# Allegro board 8880F5-0823__zarif.brd (continued)
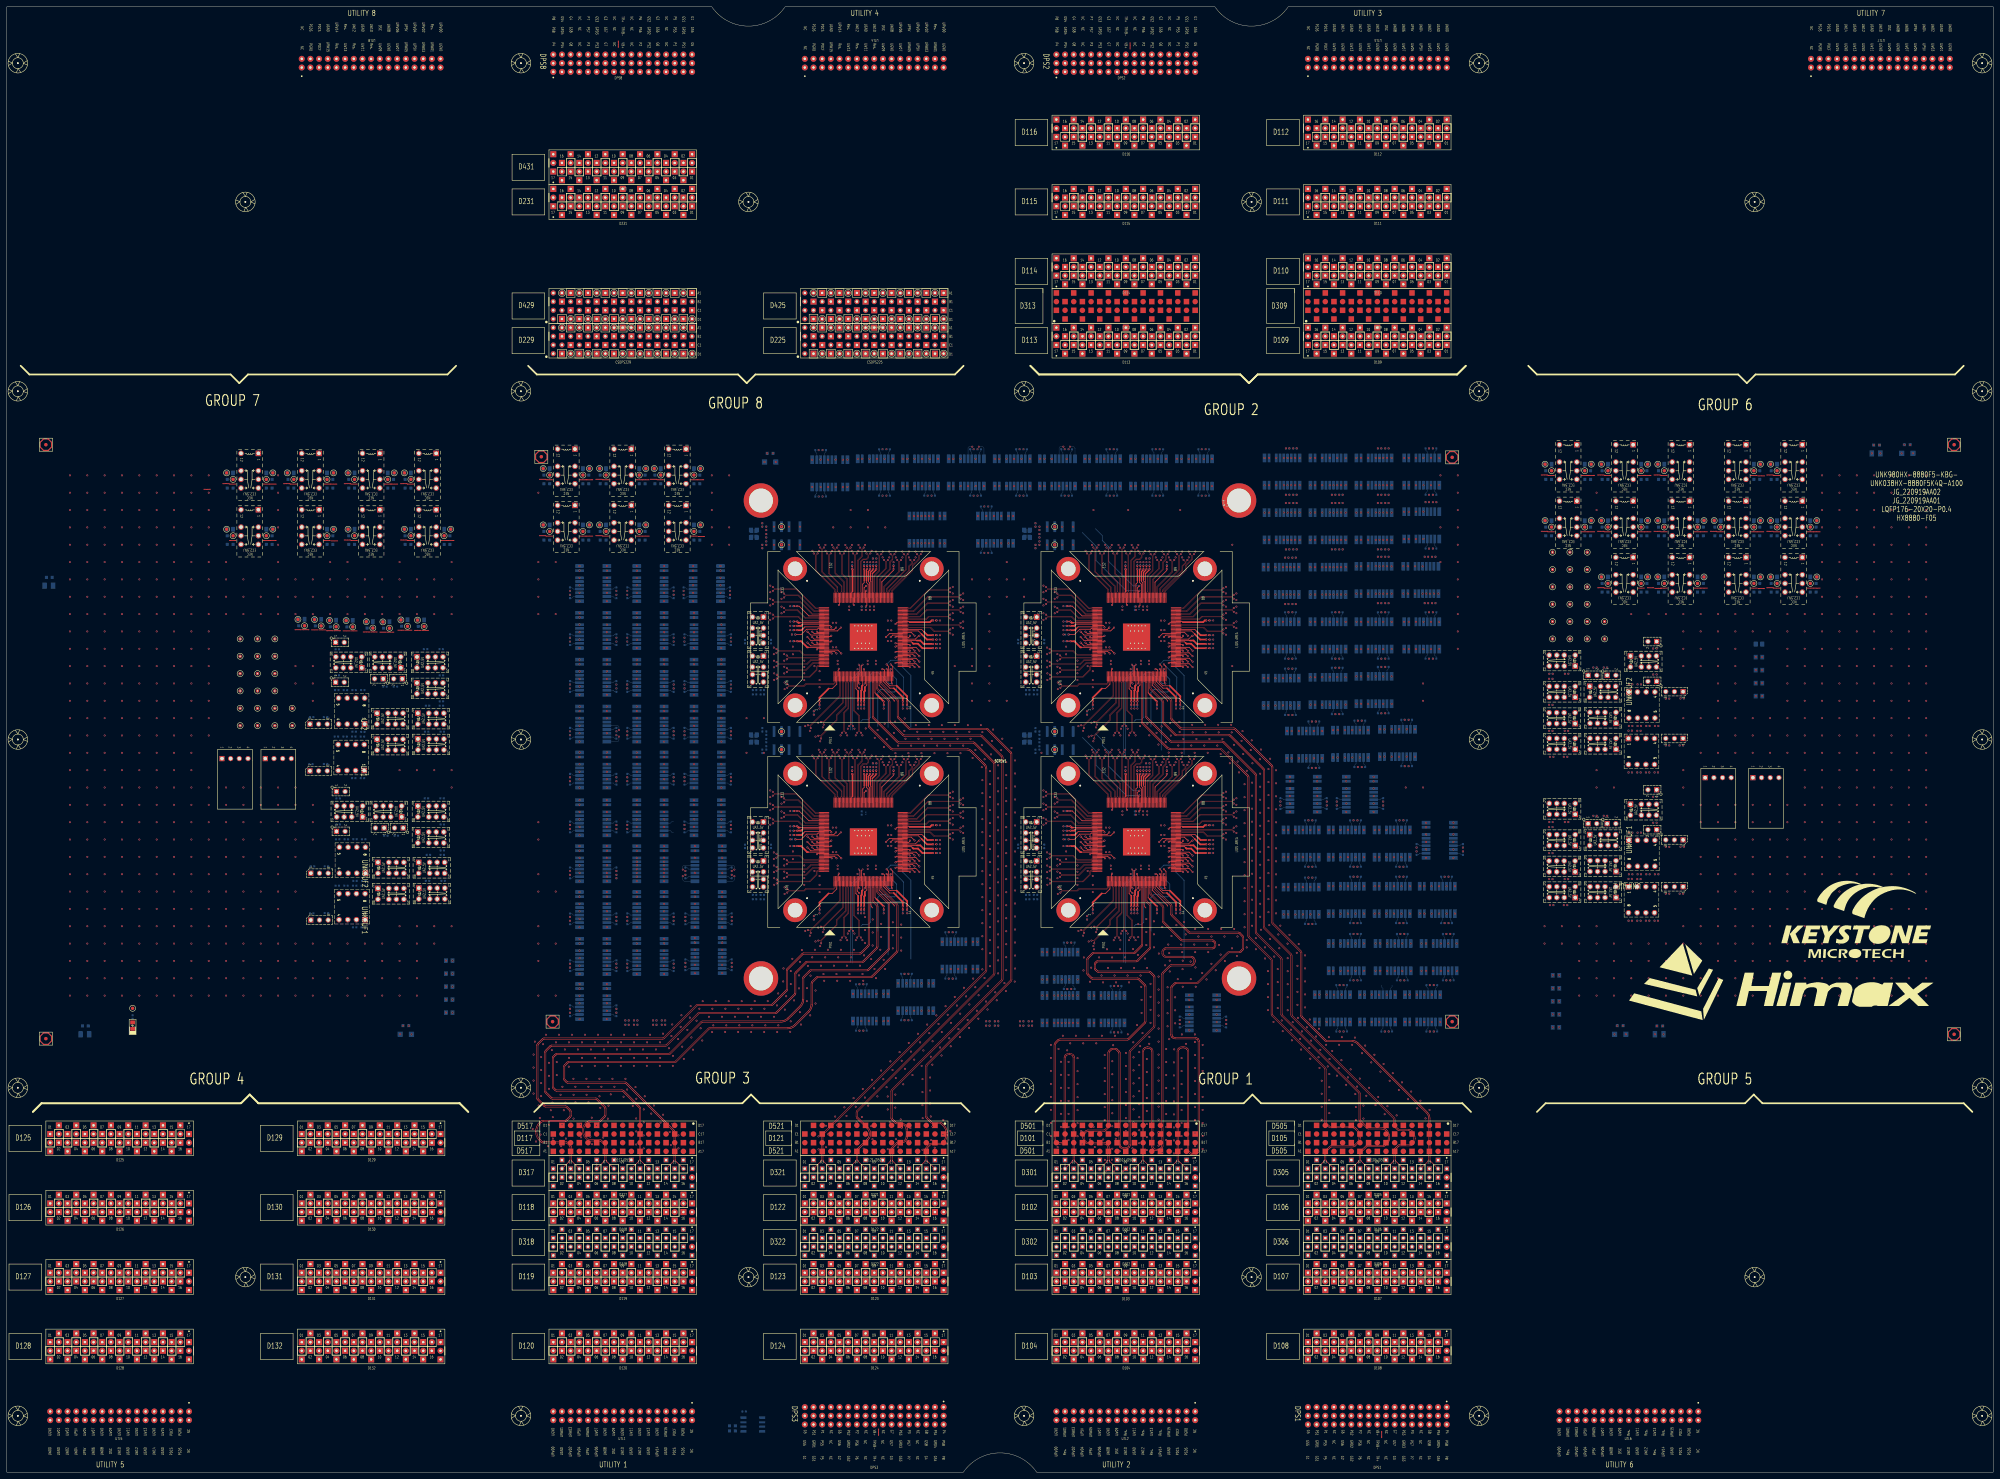
[diagram p0: board, top side]
## Nets (continued)
UT1_UP5V: BR902.1 CB1.1 CB2.1 CB3.1 CB4.1 CB5.1 CB6.1 CB7.1 CB8.1 CB9.1 CB10.1 CB11.1 CB12.1 CB13.1 CB14.1 CB15.1 CB16.1 CB19.2 K1.1(V+) K2.1(V+) K3.1(V+) K4.1(V+) K5.1(V+) K6.1(V+) K7.1(V+) K8.1(V+) K9.1(V+) K10.1(V+) K11.1(V+) K12.1(V+) K13.1(V+) K14.1(V+) K15.1(V+) K16.1(V+) K17.1(V+) K18.1(V+) K19.1(V+) K20.1(V+) K21.1(V+) K22.1(V+) K23.1(V+) K24.1(V+) K25.1(V+) K26.1(V+) K27.1(V+) K28.1(V+) K29.1(V+) K30.1(V+) K31.1(V+) K33.1(V+) K34.1(V+) K36.1(V+) K37.1(V+) K39.1(V+) K40.1(V+) K42.1(V+) K43.1(V+) RB1.1 RB2.1 UB1.8(VCC) UNK2K1.1 UNK2K2.1 UNK2K3.1 UNK2K4.1 UNK2K5.1 UNK2K6.1 UNK2K7.1 UNK2K8.1 UNK2K9.1 UNK2K10.1 UNK2K11.1 UNK2K12.1 UNK2K13.1 UNK2K14.1 UNK2K15.1 UNK2K16.1 UNK2K17.1 UNK2K18.1 UNK2K19.1 UNK2K20.1 UNK2K21.1 UNK2K22.1 UNK2K23.1 UNK2K24.1 UNK2K25.1 UNK2K26.1 UNK2K27.1 UNK2K28.1 UNK2K29.1 UNK2K30.1 UNK2K31.1 UNK2K33.1 UNK2K34.1 UNK2K36.1 UNK2K37.1 UNK2K39.1 UNK2K40.1 UNK2K42.1 UNK2K43.1 UNK3K1.1 UNK3K2.1 UNK3K3.1 UNK3K4.1 UNK3K5.1 UNK3K6.1 UNK3K7.1 UNK3K8.1 UNK3K9.1 UNK3K10.1 UNK3K11.1 UNK3K12.1 UNK3K13.1 UNK3K14.1 UNK3K15.1 UNK3K16.1 UNK3K17.1 UNK3K18.1 UNK3K19.1 UNK3K20.1 UNK3K21.1 UNK3K22.1 UNK3K23.1 UNK3K24.1 UNK3K25.1 UNK3K26.1 UNK3K27.1 UNK3K28.1 UNK3K29.1 UNK3K30.1 UNK3K31.1 UNK3K33.1 UNK3K34.1 UNK3K36.1 UNK3K37.1 UNK3K39.1 UNK3K40.1 UNK3K42.1 UNK3K43.1 UNK4K1.1 UNK4K2.1 UNK4K3.1 UNK4K4.1 UNK4K5.1 UNK4K6.1 UNK4K7.1 UNK4K8.1 UNK4K9.1 UNK4K10.1 UNK4K11.1 UNK4K12.1 UNK4K13.1 UNK4K14.1 UNK4K15.1 UNK4K16.1 UNK4K17.1 UNK4K18.1 UNK4K19.1 UNK4K20.1 UNK4K21.1 UNK4K22.1 UNK4K23.1 UNK4K24.1 UNK4K25.1 UNK4K26.1 UNK4K27.1 UNK4K28.1 UNK4K29.1 UNK4K30.1 UNK4K31.1 UNK4K33.1 UNK4K34.1 UNK4K36.1 UNK4K37.1 UNK4K39.1 UNK4K40.1 UNK4K42.1 UNK4K43.1 UT_UP5V.1(TP) UTL1.A05 UTL1.B04 UTL2.A05 UTL2.B04 UTL3.A05 UTL3.B04 UTL4.A05 UTL4.B04 UTL5.A05 UTL5.B04 UTL6.A05 UTL6.B04 UTL7.A05 UTL7.B04 UTL8.A05 UTL8.B04
UT1_URW00: UTL1.A01
UT1_URW01: UTL1.B02
UT1_URW02: UTL1.A03
UT1_URW03: UTL1.B03
UT1_URW04: UTL1.A04
UT1_URW05: UTL1.B05
UT1_URW06: UTL1.A06
UT1_UW07: UTL1.B06
UT1_UW08: UTL1.A07
UT1_UW09: UTL1.B08
UT1_UW10: UTL1.A09
UT1_UW11: UTL1.B10
UT1_UW12: UTL1.A11
UT1_UW13: UTL1.B12
UT1_UW14: RB1.2 UB1.6(SCL) UTL1.A13
UT1_UW15: RB2.2 UB1.5(SDA) UTL1.B14
UT2_PDCF: UTL2.B15
UT2_PDCS: UTL2.A15
UT2_PGDS: UTL2.A16
UT2_PGRD: UTL2.B16
UT2_URW00: UTL2.A01
UT2_URW01: UTL2.B02
UT2_URW02: UTL2.A03
UT2_URW03: UTL2.B03
UT2_URW04: UTL2.A04
UT2_URW05: UTL2.B05
UT2_URW06: UTL2.A06
UT2_UW07: UTL2.B06
UT2_UW08: UTL2.A07
UT2_UW09: UTL2.B08
UT2_UW10: UTL2.A09
UT2_UW11: UTL2.B10
UT2_UW12: UTL2.A11
UT2_UW13: UTL2.B12
UT2_UW14: UTL2.A13
UT2_UW15: UTL2.B14
UT3_PDCF: UTL3.B15
UT3_PDCS: UTL3.A15
UT3_PGDS: UTL3.A16
UT3_PGRD: UTL3.B16
UT3_URW00: UTL3.A01
UT3_URW01: UTL3.B02
UT3_URW02: UTL3.A03
UT3_URW03: UTL3.B03
UT3_URW04: UTL3.A04
UT3_URW05: UTL3.B05
UT3_URW06: UTL3.A06
UT3_UW07: UTL3.B06
UT3_UW08: UTL3.A07
UT3_UW09: UTL3.B08
UT3_UW10: UTL3.A09
UT3_UW11: UTL3.B10
UT3_UW12: UTL3.A11
UT3_UW13: UTL3.B12
UT3_UW14: UTL3.A13
UT3_UW15: UTL3.B14
UT4_PDCF: UTL4.B15
UT4_PDCS: UTL4.A15
UT4_PGDS: UTL4.A16
UT4_PGRD: UTL4.B16
UT4_URW00: UTL4.A01
UT4_URW01: UTL4.B02
UT4_URW02: UTL4.A03
UT4_URW03: UTL4.B03
UT4_URW04: UTL4.A04
UT4_URW05: UTL4.B05
UT4_URW06: UTL4.A06
UT4_UW07: UTL4.B06
UT4_UW08: UTL4.A07
UT4_UW09: UTL4.B08
UT4_UW10: UTL4.A09
UT4_UW11: UTL4.B10
UT4_UW12: UTL4.A11
UT4_UW13: UTL4.B12
UT4_UW14: UTL4.A13
UT4_UW15: UTL4.B14
UT5_PDCF: UTL5.B15
UT5_PDCS: UTL5.A15
UT5_PGDS: UTL5.A16
UT5_PGRD: UTL5.B16
UT5_UW00: UTL5.A01
UT5_UW01: UTL5.B02
UT5_UW02: UTL5.A03
UT5_UW03: UTL5.B03
UT5_UW04: UTL5.A04
UT5_UW05: UTL5.B05
UT5_UW06: UTL5.A06
UT5_UW07: UTL5.B06
UT5_UW08: UTL5.A07
UT5_UW09: UTL5.B08
UT5_UW10: UTL5.A09
UT5_UW11: UTL5.B10
UT5_UW12: UTL5.A11
UT5_UW13: UTL5.B12
UT5_UW14: UTL5.A13
UT5_UW15: UTL5.B14
UT6_PDCF: UTL6.B15
UT6_PDCS: UTL6.A15
UT6_PGDS: UTL6.A16
UT6_PGRD: UTL6.B16
UT6_UW00: UTL6.A01
UT6_UW01: UTL6.B02
UT6_UW02: UTL6.A03
UT6_UW03: UTL6.B03
UT6_UW04: UTL6.A04
UT6_UW05: UTL6.B05
UT6_UW06: UTL6.A06
UT6_UW07: UTL6.B06
UT6_UW08: UTL6.A07
UT6_UW09: UTL6.B08
UT6_UW10: UTL6.A09
UT6_UW11: UTL6.B10
UT6_UW12: UTL6.A11
UT6_UW13: UTL6.B12
UT6_UW14: UTL6.A13
UT6_UW15: UTL6.B14
UT7_PDCF: UTL7.B15
UT7_PDCS: UTL7.A15
UT7_PGDS: UTL7.A16
UT7_PGRD: UTL7.B16
UT7_UW00: UTL7.A01
UT7_UW01: UTL7.B02
UT7_UW02: UTL7.A03
UT7_UW03: UTL7.B03
UT7_UW04: UTL7.A04
UT7_UW05: UTL7.B05
UT7_UW06: UTL7.A06
UT7_UW07: UTL7.B06
UT7_UW08: UTL7.A07
UT7_UW09: UTL7.B08
UT7_UW10: UTL7.A09
UT7_UW11: UTL7.B10
UT7_UW12: UTL7.A11
UT7_UW13: UTL7.B12
UT7_UW14: UTL7.A13
UT7_UW15: UTL7.B14
UT8_PDCF: UTL8.B15
UT8_PDCS: UTL8.A15
UT8_PGDS: UTL8.A16
UT8_PGRD: UTL8.B16
UT8_UW00: UTL8.A01
UT8_UW01: UTL8.B02
UT8_UW02: UTL8.A03
UT8_UW03: UTL8.B03
UT8_UW04: UTL8.A04
UT8_UW05: UTL8.B05
UT8_UW06: UTL8.A06
UT8_UW07: UTL8.B06
UT8_UW08: UTL8.A07
UT8_UW09: UTL8.B08
UT8_UW10: UTL8.A09
UT8_UW11: UTL8.B10
UT8_UW12: UTL8.A11
UT8_UW13: UTL8.B12
UT8_UW14: UTL8.A13
UT8_UW15: UTL8.B14
N16868442: BR902.2 LD902.1(A)
N24574244: J2.1 R89.1
N24574268: J3.1 R96.1
N24574272: J3.3 R93.1
N24574311: R90.1 U1.7(HOLD#)
N24574358: J2.2 U1.3(WP#)
N24574376: R97.1 U2.7(HOLD#)
N24574426: J3.2 U2.3(WP#)
N24574578: J2.3 R86.1
N24787993: CA21.1 K34.5
N24789529: CA23.1 K36.5 K36.8
N24789779: CA24.1 K37.5
N25330426: CA29.1 K42.5
N25334489: CA26.1 K39.5
N25337760: CA34.1 K31.5
N25339188: CA27.1 K40.5
N25462044: CA37.1 K39.8
N25462912: CA40.1 K42.8
N25463486: CA28.1 K40.8
N25464528: CA25.1 K37.8
N25465136: CA22.1 K34.8
N26125600: K25.3 R55.2
N26125602: K25.4 R56.1
N26125604: K25.6 R57.2
N26125606: K25.5 R58.1
N26125622: K26.3 R59.2
N26125624: K26.4 R60.1
N26125626: K26.6 R61.2
N26125628: K26.5 R62.1
N26125644: K27.5 R66.1
N26125646: K27.6 R65.2
N26125685: K22.6 R45.2
N26125687: K22.5 R46.1
N26125689: K23.3 R47.2
N26125691: K23.4 R48.1
N26125693: K23.6 R49.2
N26125695: K23.5 R50.1
N26125711: K24.3 R51.2
N26125713: K24.4 R52.1
N26125715: K24.6 R53.2
N26125717: K24.5 R54.1
N26125746: K22.3 R102.2
N26125748: K22.4 R103.1
N26125750: K27.3 R104.2
N26125752: K27.4 R105.1
N26138300: J1.2 K10.4 R85.2 S1_RST_N.2
N26138322: C7.1 J1.1
N26323523: K17.3 R71.2
N26323525: K17.4 R72.1
N26323527: K17.5 R74.1
N26323529: K17.6 R73.2
N26323531: K21.3 R75.2
N26323533: K21.4 R76.1
N26323535: K21.5 R78.1
N26323537: K21.6 R77.2
N26323539: K29.3 R79.2
N26323541: K29.4 R80.1
N26323543: K29.6 R43.2
N26323545: K29.5 R44.1
N26323547: K30.3 R63.2
N26323549: K30.4 R64.1
N26323551: K30.5 R101.1
N26323553: K30.6 R100.2
N26325241: K16.3 R67.2
N26325243: K16.4 R68.1
N26325245: K16.5 R70.1
N26325247: K16.6 R69.2
N26326910: K6.5 R30.1
N26326941: K6.3 R27.2
N26326943: K6.4 R28.1
N26326945: K6.6 R29.2
N26326947: K7.5 R34.1
N26326959: K7.3 R31.2
N26326961: K7.4 R32.1
N26326963: K7.6 R33.2
N26327095: K11.3 R39.2
N26327097: K11.4 R40.1
N26327099: K8.5 R38.1
N26327103: K8.6 R37.2
N26327105: K11.6 R41.2
N26327107: K11.5 R42.1
N26328546: K5.5 R26.1
N26328550: K5.3 R23.2
N26328552: K5.4 R24.1
N26328554: K5.6 R25.2
N26330264: K3.5 R18.1
N26330266: K3.6 R17.2
N26330268: K3.4 R16.1
N26330270: K3.3 R15.2
N26330276: K1.5 R10.1
N26330278: K1.6 R9.2
N26330280: K1.4 R8.1
N26330282: K1.3 R7.2
N26330286: K2.3 R11.2
N26330288: K2.4 R12.1
N26330290: K4.5 R22.1
N26330294: K4.3 R19.2
N26330296: K4.4 R20.1
N26330298: K4.6 R21.2
N26330300: K2.5 R14.1
N26330302: K2.6 R13.2
N26336800: K12.4 R131.1
N26336804: K12.5 R132.1
N26336814: K33.2 R82.1
N26336816: K33.4 R117.1
N26336828: K18.4 R5.1 R6.2
N26336832: K18.5 R6.1 R133.1
N26336834: C5.1 R133.2 Y1.1 Y2.1
N26336836: C6.1 R5.2 Y1.3 Y2.3
N26336892: K13.5 R120.2
N26336894: K13.4 R119.2
N26337539: J5.1 K28.5 R84.2
N26337547: J4.1 K28.4 R83.2
N26486525: UNK2K25.3 UNK2R55.2
N26486526: UNK2K25.4 UNK2R56.1
N26486527: UNK2K25.6 UNK2R57.2
N26486528: UNK2K25.5 UNK2R58.1
N26486530: UNK2K26.3 UNK2R59.2
N26486531: UNK2K26.4 UNK2R60.1
N26486532: UNK2K26.6 UNK2R61.2
N26486533: UNK2K26.5 UNK2R62.1
N26486535: UNK2K27.5 UNK2R66.1
N26486536: UNK2K27.6 UNK2R65.2
N26486543: UNK2K22.6 UNK2R45.2
N26486544: UNK2K22.5 UNK2R46.1
N26486545: UNK2K23.3 UNK2R47.2
N26486546: UNK2K23.4 UNK2R48.1
N26486547: UNK2K23.6 UNK2R49.2
N26486548: UNK2K23.5 UNK2R50.1
N26486550: UNK2K24.3 UNK2R51.2
N26486551: UNK2K24.4 UNK2R52.1
N26486552: UNK2K24.6 UNK2R53.2
N26486553: UNK2K24.5 UNK2R54.1
N26486568: UNK2K22.3 UNK2R102.2
N26486569: UNK2K22.4 UNK2R103.1
N26486570: UNK2K27.3 UNK2R104.2
N26486571: UNK2K27.4 UNK2R105.1
N26486686: S2_RST_N.2 UNK2J1.2 UNK2K10.4 UNK2R85.2
N26486691: UNK2C7.1 UNK2J1.1
N26486726: UNK2K17.3 UNK2R71.2
N26486727: UNK2K17.4 UNK2R72.1
N26486728: UNK2K17.5 UNK2R74.1
N26486729: UNK2K17.6 UNK2R73.2
N26486730: UNK2K21.3 UNK2R75.2
N26486731: UNK2K21.4 UNK2R76.1
N26486732: UNK2K21.5 UNK2R78.1
N26486733: UNK2K21.6 UNK2R77.2
N26486734: UNK2K29.3 UNK2R79.2
N26486735: UNK2K29.4 UNK2R80.1
N26486736: UNK2K29.6 UNK2R43.2
N26486737: UNK2K29.5 UNK2R44.1
N26486738: UNK2K30.3 UNK2R63.2
N26486739: UNK2K30.4 UNK2R64.1
N26486740: UNK2K30.5 UNK2R101.1
N26486741: UNK2K30.6 UNK2R100.2
N26486822: UNK2K16.3 UNK2R67.2
N26486823: UNK2K16.4 UNK2R68.1
N26486824: UNK2K16.5 UNK2R70.1
N26486825: UNK2K16.6 UNK2R69.2
N26486847: UNK2K6.5 UNK2R30.1
N26486849: UNK2K6.3 UNK2R27.2
N26486850: UNK2K6.4 UNK2R28.1
N26486851: UNK2K6.6 UNK2R29.2
N26486852: UNK2K7.5 UNK2R34.1
N26486854: UNK2K7.3 UNK2R31.2
N26486855: UNK2K7.4 UNK2R32.1
N26486856: UNK2K7.6 UNK2R33.2
N26486898: UNK2K11.3 UNK2R39.2
N26486899: UNK2K11.4 UNK2R40.1
N26486900: UNK2K8.5 UNK2R38.1
N26486902: UNK2K8.6 UNK2R37.2
N26486903: UNK2K11.6 UNK2R41.2
N26486904: UNK2K11.5 UNK2R42.1
N26486946: UNK2K5.5 UNK2R26.1
N26486948: UNK2K5.3 UNK2R23.2
N26486949: UNK2K5.4 UNK2R24.1
N26486950: UNK2K5.6 UNK2R25.2
N26486971: UNK2K3.5 UNK2R18.1
N26486972: UNK2K3.6 UNK2R17.2
N26486973: UNK2K3.4 UNK2R16.1
N26486974: UNK2K3.3 UNK2R15.2
N26486977: UNK2K1.5 UNK2R10.1
N26486978: UNK2K1.6 UNK2R9.2
N26486979: UNK2K1.4 UNK2R8.1
N26486980: UNK2K1.3 UNK2R7.2
N26486982: UNK2K2.3 UNK2R11.2
N26486983: UNK2K2.4 UNK2R12.1
N26486984: UNK2K4.5 UNK2R22.1
N26486986: UNK2K4.3 UNK2R19.2
N26486987: UNK2K4.4 UNK2R20.1
N26486988: UNK2K4.6 UNK2R21.2
N26486989: UNK2K2.5 UNK2R14.1
N26486990: UNK2K2.6 UNK2R13.2
N26487176: UNK2K12.4 UNK2R131.1
N26487178: UNK2K12.5 UNK2R132.1
N26487182: UNK2K33.2 UNK2R82.1
N26487183: UNK2K33.4 UNK2R117.1
N26487190: UNK2K18.4 UNK2R5.1 UNK2R6.2
N26487192: UNK2K18.5 UNK2R6.1 UNK2R133.1
N26487193: UNK2C5.1 UNK2R133.2 UNK2Y1.1 UNK2Y2.1
N26487194: UNK2C6.1 UNK2R5.2 UNK2Y1.3 UNK2Y2.3
N26487223: UNK2K13.5 UNK2R120.2
N26487224: UNK2K13.4 UNK2R119.2
N26487285: UNK2J5.1 UNK2K28.5 UNK2R84.2
N26487289: UNK2J4.1 UNK2K28.4 UNK2R83.2
N26491412: UNK2J2.1 UNK2R89.1
N26491416: UNK2J3.1 UNK2R96.1
N26491418: UNK2J3.3 UNK2R93.1
N26491425: UNK2R90.1 UNK2U1.7
N26491450: UNK2J2.2 UNK2U1.3
N26491459: UNK2R97.1 UNK2U2.7
N26491486: UNK2J3.2 UNK2U2.3
N26491497: UNK2J2.3 UNK2R86.1
N26492255: UNK2CA21.1 UNK2K34.5
N26492261: UNK2CA23.1 UNK2K36.5 UNK2K36.8
N26492266: UNK2CA24.1 UNK2K37.5
N26492386: UNK2CA29.1 UNK2K42.5
N26492392: UNK2CA26.1 UNK2K39.5
N26492464: UNK2CA34.1 UNK2K31.5
N26492470: UNK2CA27.1 UNK2K40.5
N26492603: UNK2CA37.1 UNK2K39.8
N26492609: UNK2CA40.1 UNK2K42.8
N26492613: UNK2CA28.1 UNK2K40.8
N26492615: UNK2CA25.1 UNK2K37.8
N26492621: UNK2CA22.1 UNK2K34.8
N26495382: UNK3K25.3 UNK3R55.2
N26495383: UNK3K25.4 UNK3R56.1
N26495384: UNK3K25.6 UNK3R57.2
N26495385: UNK3K25.5 UNK3R58.1
N26495387: UNK3K26.3 UNK3R59.2
N26495388: UNK3K26.4 UNK3R60.1
N26495389: UNK3K26.6 UNK3R61.2
N26495390: UNK3K26.5 UNK3R62.1
N26495392: UNK3K27.5 UNK3R66.1
N26495393: UNK3K27.6 UNK3R65.2
N26495400: UNK3K22.6 UNK3R45.2
N26495401: UNK3K22.5 UNK3R46.1
N26495402: UNK3K23.3 UNK3R47.2
N26495403: UNK3K23.4 UNK3R48.1
N26495404: UNK3K23.6 UNK3R49.2
N26495405: UNK3K23.5 UNK3R50.1
N26495407: UNK3K24.3 UNK3R51.2
N26495408: UNK3K24.4 UNK3R52.1
N26495409: UNK3K24.6 UNK3R53.2
N26495410: UNK3K24.5 UNK3R54.1
N26495425: UNK3K22.3 UNK3R102.2
N26495426: UNK3K22.4 UNK3R103.1
N26495427: UNK3K27.3 UNK3R104.2
N26495428: UNK3K27.4 UNK3R105.1
N26495543: S3_RST_N.2 UNK3J1.2 UNK3K10.4 UNK3R85.2
N26495548: UNK3C7.1 UNK3J1.1
N26495583: UNK3K17.3 UNK3R71.2
N26495584: UNK3K17.4 UNK3R72.1
N26495585: UNK3K17.5 UNK3R74.1
N26495586: UNK3K17.6 UNK3R73.2
N26495587: UNK3K21.3 UNK3R75.2
N26495588: UNK3K21.4 UNK3R76.1
N26495589: UNK3K21.5 UNK3R78.1
N26495590: UNK3K21.6 UNK3R77.2
N26495591: UNK3K29.3 UNK3R79.2
N26495592: UNK3K29.4 UNK3R80.1
N26495593: UNK3K29.6 UNK3R43.2
N26495594: UNK3K29.5 UNK3R44.1
N26495595: UNK3K30.3 UNK3R63.2
N26495596: UNK3K30.4 UNK3R64.1
N26495597: UNK3K30.5 UNK3R101.1
N26495598: UNK3K30.6 UNK3R100.2
N26495679: UNK3K16.3 UNK3R67.2
N26495680: UNK3K16.4 UNK3R68.1
N26495681: UNK3K16.5 UNK3R70.1
N26495682: UNK3K16.6 UNK3R69.2
N26495704: UNK3K6.5 UNK3R30.1
N26495706: UNK3K6.3 UNK3R27.2
N26495707: UNK3K6.4 UNK3R28.1
N26495708: UNK3K6.6 UNK3R29.2
N26495709: UNK3K7.5 UNK3R34.1
N26495711: UNK3K7.3 UNK3R31.2
N26495712: UNK3K7.4 UNK3R32.1
N26495713: UNK3K7.6 UNK3R33.2
N26495755: UNK3K11.3 UNK3R39.2
N26495756: UNK3K11.4 UNK3R40.1
N26495757: UNK3K8.5 UNK3R38.1
N26495759: UNK3K8.6 UNK3R37.2
N26495760: UNK3K11.6 UNK3R41.2
N26495761: UNK3K11.5 UNK3R42.1
N26495803: UNK3K5.5 UNK3R26.1
N26495805: UNK3K5.3 UNK3R23.2
N26495806: UNK3K5.4 UNK3R24.1
N26495807: UNK3K5.6 UNK3R25.2
N26495828: UNK3K3.5 UNK3R18.1
N26495829: UNK3K3.6 UNK3R17.2
N26495830: UNK3K3.4 UNK3R16.1
N26495831: UNK3K3.3 UNK3R15.2
N26495834: UNK3K1.5 UNK3R10.1
N26495835: UNK3K1.6 UNK3R9.2
N26495836: UNK3K1.4 UNK3R8.1
N26495837: UNK3K1.3 UNK3R7.2
N26495839: UNK3K2.3 UNK3R11.2
N26495840: UNK3K2.4 UNK3R12.1
N26495841: UNK3K4.5 UNK3R22.1
N26495843: UNK3K4.3 UNK3R19.2
N26495844: UNK3K4.4 UNK3R20.1
N26495845: UNK3K4.6 UNK3R21.2
N26495846: UNK3K2.5 UNK3R14.1
N26495847: UNK3K2.6 UNK3R13.2
N26496033: UNK3K12.4 UNK3R131.1
N26496035: UNK3K12.5 UNK3R132.1
N26496039: UNK3K33.2 UNK3R82.1
N26496040: UNK3K33.4 UNK3R117.1
N26496047: UNK3K18.4 UNK3R5.1 UNK3R6.2
N26496049: UNK3K18.5 UNK3R6.1 UNK3R133.1
N26496050: UNK3C5.1 UNK3R133.2 UNK3Y1.1 UNK3Y2.1
N26496051: UNK3C6.1 UNK3R5.2 UNK3Y1.3 UNK3Y2.3
N26496080: UNK3K13.5 UNK3R120.2
N26496081: UNK3K13.4 UNK3R119.2
N26496142: UNK3J5.1 UNK3K28.5 UNK3R84.2
N26496146: UNK3J4.1 UNK3K28.4 UNK3R83.2
N26500269: UNK3J2.1 UNK3R89.1
N26500273: UNK3J3.1 UNK3R96.1
N26500275: UNK3J3.3 UNK3R93.1
N26500282: UNK3R90.1 UNK3U1.7
N26500307: UNK3J2.2 UNK3U1.3
N26500316: UNK3R97.1 UNK3U2.7
N26500343: UNK3J3.2 UNK3U2.3
N26500354: UNK3J2.3 UNK3R86.1
N26501112: UNK3CA21.1 UNK3K34.5
N26501118: UNK3CA23.1 UNK3K36.5 UNK3K36.8
N26501123: UNK3CA24.1 UNK3K37.5
N26501243: UNK3CA29.1 UNK3K42.5
N26501249: UNK3CA26.1 UNK3K39.5
N26501321: UNK3CA34.1 UNK3K31.5
N26501327: UNK3CA27.1 UNK3K40.5
N26501460: UNK3CA37.1 UNK3K39.8
N26501466: UNK3CA40.1 UNK3K42.8
N26501470: UNK3CA28.1 UNK3K40.8
N26501472: UNK3CA25.1 UNK3K37.8
N26501478: UNK3CA22.1 UNK3K34.8
N26504239: UNK4K25.3 UNK4R55.2
N26504240: UNK4K25.4 UNK4R56.1
N26504241: UNK4K25.6 UNK4R57.2
N26504242: UNK4K25.5 UNK4R58.1
N26504244: UNK4K26.3 UNK4R59.2
N26504245: UNK4K26.4 UNK4R60.1
N26504246: UNK4K26.6 UNK4R61.2
N26504247: UNK4K26.5 UNK4R62.1
N26504249: UNK4K27.5 UNK4R66.1
N26504250: UNK4K27.6 UNK4R65.2
N26504257: UNK4K22.6 UNK4R45.2
N26504258: UNK4K22.5 UNK4R46.1
N26504259: UNK4K23.3 UNK4R47.2
N26504260: UNK4K23.4 UNK4R48.1
N26504261: UNK4K23.6 UNK4R49.2
N26504262: UNK4K23.5 UNK4R50.1
N26504264: UNK4K24.3 UNK4R51.2
N26504265: UNK4K24.4 UNK4R52.1
N26504266: UNK4K24.6 UNK4R53.2
N26504267: UNK4K24.5 UNK4R54.1
N26504282: UNK4K22.3 UNK4R102.2
N26504283: UNK4K22.4 UNK4R103.1
N26504284: UNK4K27.3 UNK4R104.2
N26504285: UNK4K27.4 UNK4R105.1
N26504400: S4_RST_N.2 UNK4J1.2 UNK4K10.4 UNK4R85.2
N26504405: UNK4C7.1 UNK4J1.1
N26504440: UNK4K17.3 UNK4R71.2
N26504441: UNK4K17.4 UNK4R72.1
N26504442: UNK4K17.5 UNK4R74.1
N26504443: UNK4K17.6 UNK4R73.2
N26504444: UNK4K21.3 UNK4R75.2
N26504445: UNK4K21.4 UNK4R76.1
N26504446: UNK4K21.5 UNK4R78.1
N26504447: UNK4K21.6 UNK4R77.2
N26504448: UNK4K29.3 UNK4R79.2
N26504449: UNK4K29.4 UNK4R80.1
N26504450: UNK4K29.6 UNK4R43.2
N26504451: UNK4K29.5 UNK4R44.1
N26504452: UNK4K30.3 UNK4R63.2
N26504453: UNK4K30.4 UNK4R64.1
N26504454: UNK4K30.5 UNK4R101.1
N26504455: UNK4K30.6 UNK4R100.2
N26504536: UNK4K16.3 UNK4R67.2
N26504537: UNK4K16.4 UNK4R68.1
N26504538: UNK4K16.5 UNK4R70.1
N26504539: UNK4K16.6 UNK4R69.2
N26504561: UNK4K6.5 UNK4R30.1
N26504563: UNK4K6.3 UNK4R27.2
N26504564: UNK4K6.4 UNK4R28.1
N26504565: UNK4K6.6 UNK4R29.2
N26504566: UNK4K7.5 UNK4R34.1
N26504568: UNK4K7.3 UNK4R31.2
N26504569: UNK4K7.4 UNK4R32.1
N26504570: UNK4K7.6 UNK4R33.2
N26504612: UNK4K11.3 UNK4R39.2
N26504613: UNK4K11.4 UNK4R40.1
N26504614: UNK4K8.5 UNK4R38.1
N26504616: UNK4K8.6 UNK4R37.2
N26504617: UNK4K11.6 UNK4R41.2
N26504618: UNK4K11.5 UNK4R42.1
N26504660: UNK4K5.5 UNK4R26.1
N26504662: UNK4K5.3 UNK4R23.2
N26504663: UNK4K5.4 UNK4R24.1
N26504664: UNK4K5.6 UNK4R25.2
N26504685: UNK4K3.5 UNK4R18.1
N26504686: UNK4K3.6 UNK4R17.2
N26504687: UNK4K3.4 UNK4R16.1
N26504688: UNK4K3.3 UNK4R15.2
N26504691: UNK4K1.5 UNK4R10.1
N26504692: UNK4K1.6 UNK4R9.2
N26504693: UNK4K1.4 UNK4R8.1
N26504694: UNK4K1.3 UNK4R7.2
N26504696: UNK4K2.3 UNK4R11.2
N26504697: UNK4K2.4 UNK4R12.1
N26504698: UNK4K4.5 UNK4R22.1
N26504700: UNK4K4.3 UNK4R19.2
N26504701: UNK4K4.4 UNK4R20.1
N26504702: UNK4K4.6 UNK4R21.2
N26504703: UNK4K2.5 UNK4R14.1
N26504704: UNK4K2.6 UNK4R13.2
N26504890: UNK4K12.4 UNK4R131.1
N26504892: UNK4K12.5 UNK4R132.1
N26504896: UNK4K33.2 UNK4R82.1
N26504897: UNK4K33.4 UNK4R117.1
N26504904: UNK4K18.4 UNK4R5.1 UNK4R6.2
N26504906: UNK4K18.5 UNK4R6.1 UNK4R133.1
N26504907: UNK4C5.1 UNK4R133.2 UNK4Y1.1 UNK4Y2.1
N26504908: UNK4C6.1 UNK4R5.2 UNK4Y1.3 UNK4Y2.3
N26504937: UNK4K13.5 UNK4R120.2
N26504938: UNK4K13.4 UNK4R119.2
N26504999: UNK4J5.1 UNK4K28.5 UNK4R84.2
N26505003: UNK4J4.1 UNK4K28.4 UNK4R83.2
N26509126: UNK4J2.1 UNK4R89.1
N26509130: UNK4J3.1 UNK4R96.1
N26509132: UNK4J3.3 UNK4R93.1
N26509139: UNK4R90.1 UNK4U1.7
N26509164: UNK4J2.2 UNK4U1.3
N26509173: UNK4R97.1 UNK4U2.7
N26509200: UNK4J3.2 UNK4U2.3
N26509211: UNK4J2.3 UNK4R86.1
N26509969: UNK4CA21.1 UNK4K34.5
N26509975: UNK4CA23.1 UNK4K36.5 UNK4K36.8
N26509980: UNK4CA24.1 UNK4K37.5
N26510100: UNK4CA29.1 UNK4K42.5
N26510106: UNK4CA26.1 UNK4K39.5
N26510178: UNK4CA34.1 UNK4K31.5
N26510184: UNK4CA27.1 UNK4K40.5
N26510317: UNK4CA37.1 UNK4K39.8
N26510323: UNK4CA40.1 UNK4K42.8
N26510327: UNK4CA28.1 UNK4K40.8
N26510329: UNK4CA25.1 UNK4K37.8
N26510335: UNK4CA22.1 UNK4K34.8

Pads without a net: CSDPS225 A17 B17 C17 D17; CSDPS229 A17 B17 C17 D17; CSDPS425 A17 B17 C17 D17; CSDPS429 A17 B17 C17 D17; D101/D501 A1 A2 A3 A4 A5 A6 A7 A8 A9 A10 A11 A12 A13 A14 A15 A16 A17 B1 B2 B3 B4 B5 B6 B7 B8 B9 B10 B11 B12 B13 B14 B15 B16 B17 C1 C2 C3 C4 C5 C6 C7 C8 C9 C10 C11 C12 C13 C14 C15 C16 C17 D2 D3 D4 D5 D6 D7 D8 D9 D10 D11 D12 D13 D14 D15 D16; D102 17 A17 B17; D103 17 A17 B17; D104 17 A17 B17; D105/D505 A1 A2 A3 A4 A5 A6 A7 A8 A9 A10 A11 A12 A13 A14 A15 A16 A17 B1 B2 B3 B4 B5 B6 B7 B8 B9 B10 B11 B12 B13 B14 B15 B16 B17 C1 C2 C3 C4 C5 C6 C7 C8 C9 C10 C11 C12 C13 C14 C15 C16 C17 D2 D3 D4 D5 D6 D7 D8 D9 D10 D11 D12 D13 D14 D15 D16; D106 17 A17 B17; D107 17 A17 B17; D108 17 A17 B17; D109 17 A17 B17; D110 17 A17 B17; D111 17 A17 B17; D112 17 A17 B17; D113 17 A17 B17; D114 17 A17 B17; D115 17 A17 B17; D116 17 A17 B17; D117/D517 A1 A2 A3 A4 A5 A6 A7 A8 A9 A10 A11 A12 A13 A14 A15 A16 A17 B1 B2 B3 B4 B5 B6 B7 B8 B9 B10 B11 B12 B13 B14 B15 B16 B17 C1 C2 C3 C4 C5 C6 C7 C8 C9 C10 C11 C12 C13 C14 C15 C16 C17 D2 D3 D4 D5 D6 D7 D8 D9 D10 D11 D12 D13 D14 D15 D16; D118 17 A17 B17; D119 17 A17 B17; D120 17 A17 B17; D121/D521 A1 A2 A3 A4 A5 A6 A7 A8 A9 A10 A11 A12 A13 A14 A15 A16 A17 B1 B2 B3 B4 B5 B6 B7 B8 B9 B10 B11 B12 B13 B14 B15 B16 B17 C1 C2 C3 C4 C5 C6 C7 C8 C9 C10 C11 C12 C13 C14 C15 C16 C17 D2 D3 D4 D5 D6 D7 D8 D9 D10 D11 D12 D13 D14 D15 D16; D122 17 A17 B17; D123 17 A17 B17; D124 17 A17 B17; D125 17 A17 B17; D126 17 A17 B17; D127 17 A17 B17; D128 17 A17 B17; D129 17 A17 B17; D130 17 A17 B17; D131 17 A17 B17; D132 17 A17 B17; D301 17 A17 B17; D302 17 A17 B17; D305 17 A17 B17; D306 17 A17 B17; D309 A1 A3 A5 A7 A9 A11 A13 A15 A17 B1 B2 B3 B4 B5 B6 B7 B8 B9 B10 B11 B12 B13 B14 B15 B16 B17 C1 C2 C3 C4 C5 C6 C7 C8 C9 C10 C11 C12 C13 C14 C15 C16 C17 D2 D4 D6 D8 D10 D12 D14 D16; D313 A1 A3 A5 A7 A9 A11 A13 A15 A17 B1 B2 B3 B4 B5 B6 B7 B8 B9 B10 B11 B12 B13 B14 B15 B16 B17 C1 C2 C3 C4 C5 C6 C7 C8 C9 C10 C11 C12 C13 C14 C15 C16 C17 D2 D4 D6 D8 D10 D12 D14 D16; D317 17 A17 B17; D318 17 A17 B17; D321 17 A17 B17; D322 17 A17 B17; DPS1 A04 A08 A10 A14 B04 B08 B10 B14 C04 C08 C10 C14; DPS2 A04 A08 A10 A14 B04 B08 B10 B14 C04 C08 C10 C14; DPS3 A04 A08 A10 A14 B04 B08 B10 B14 C04 C08 C10 C14; DPS8 A04 A08 A10 A14 B04 B08 B10 B14 C04 C08 C10 C14; FD1 1; FD2 1; FD3 1; FD4 1; FD5 1; FD6 1; FD7 1; FD8 1; FD9 1; FD10 1; FD11 1; FD12 1; FD13 1; FD14 1; FD15 1; FD16 1; HX8880-F05 1; JG_220919AA01 1; JG_220919AA02 1; K1 2 7; K2 2 7; K3 2 7; K4 2 7; K5 2 7; K6 2 7; K7 2 7; K8 2 3 4 7; K10 2 5 6 7; K11 2 7; K12 2 7; K13 2 7; K16 2 7; K17 2 7; K21 2 7; K22 2 7; K23 2 7; K24 2 7; K25 2 7; K26 2 7; K27 2 7; K28 2 7; K29 2 7; K30 2 7; K31 3 8 9 10; K33 5 6 7; K34 3 10; K36 3 10; K37 3 10; K39 3 10; K40 3 10; K42 3 10; LOGO1 1; LOGO2 1; LQFP176-20X20-P0.4 1; S1_I2C 3; S2_I2C 3; S3_I2C 3; S4_I2C 3; SITE1 NUT1 NUT2 NUT3 NUT4; SITE2 NUT1 NUT2 NUT3 NUT4; SITE3 NUT1 NUT2 NUT3 NUT4; SITE4 NUT1 NUT2 NUT3 NUT4; SKB NUT1 NUT2 NUT3 NUT4; TPL1 1; TPL2 1; TPL3 1; TPL4 1; TPL5 1; TPL6 1; TPL7 1; TPL8 1; TPL9 1; TPL10 1; TPL11 1; TPL12 1; TPL13 1; TPL14 1; TPL15 1; TPL16 1; TPL17 1; TPL18 1; TPL19 1; TPL20 1; TPL21 1; TPL22 1; TPL23 1; TPL24 1; TPL25 1; TPL26 1; TPL27 1; TPL28 1; TPL29 1; TPL30 1; TPL31 1; TPL32 1; TPL33 1; TPL34 1; TPL35 1; TPL36 1; TPL37 1; TPL38 1; TPL39 1; TPL40 1; UF1 1; UF2 1; UNK2K1 2 7; UNK2K2 2 7; UNK2K3 2 7; UNK2K4 2 7; UNK2K5 2 7; UNK2K6 2 7; UNK2K7 2 7; UNK2K8 2 3 4 7; UNK2K10 2 5 6 7; UNK2K11 2 7; UNK2K12 2 7; UNK2K13 2 7; UNK2K16 2 7; UNK2K17 2 7; UNK2K21 2 7; UNK2K22 2 7; UNK2K23 2 7; UNK2K24 2 7; UNK2K25 2 7; UNK2K26 2 7; UNK2K27 2 7; UNK2K28 2 7; UNK2K29 2 7; UNK2K30 2 7; UNK2K31 3 8 9 10; UNK2K33 5 6 7; UNK2K34 3 10; UNK2K36 3 10; UNK2K37 3 10; UNK2K39 3 10; UNK2K40 3 10; UNK2K42 3 10; UNK2UF1 1; UNK2UF2 1; UNK3K1 2 7; UNK3K2 2 7; UNK3K3 2 7; UNK3K4 2 7; UNK3K5 2 7; UNK3K6 2 7; UNK3K7 2 7; UNK3K8 2 3 4 7; UNK3K10 2 5 6 7; UNK3K11 2 7; UNK3K12 2 7; UNK3K13 2 7; UNK3K16 2 7; UNK3K17 2 7; UNK3K21 2 7; UNK3K22 2 7; UNK3K23 2 7; UNK3K24 2 7; UNK3K25 2 7; UNK3K26 2 7; UNK3K27 2 7; UNK3K28 2 7; UNK3K29 2 7; UNK3K30 2 7; UNK3K31 3 8 9 10; UNK3K33 5 6 7; UNK3K34 3 10; UNK3K36 3 10; UNK3K37 3 10; UNK3K39 3 10; UNK3K40 3 10; UNK3K42 3 10; UNK3UF1 1; UNK3UF2 1; UNK4K1 2 7; UNK4K2 2 7; UNK4K3 2 7; UNK4K4 2 7; UNK4K5 2 7; UNK4K6 2 7; UNK4K7 2 7; UNK4K8 2 3 4 7; UNK4K10 2 5 6 7; UNK4K11 2 7; UNK4K12 2 7; UNK4K13 2 7; UNK4K16 2 7; UNK4K17 2 7; UNK4K21 2 7; UNK4K22 2 7; UNK4K23 2 7; UNK4K24 2 7; UNK4K25 2 7; UNK4K26 2 7; UNK4K27 2 7; UNK4K28 2 7; UNK4K29 2 7; UNK4K30 2 7; UNK4K31 3 8 9 10; UNK4K33 5 6 7; UNK4K34 3 10; UNK4K36 3 10; UNK4K37 3 10; UNK4K39 3 10; UNK4K40 3 10; UNK4K42 3 10; UNK4UF1 1; UNK4UF2 1; UNK038HX-8880F5K4Q-A100 1; UNK980HX-8880F5-KBG- 1; UTL1 A17 B17; UTL2 A17 B17; UTL3 A17 B17; UTL4 A17 B17; UTL5 A17 B17; UTL6 A17 B17; UTL7 A17 B17; UTL8 A17 B17

## Via types
v1: diameter 0.559, hole 0.305, TOP to BOTTOM, 4762 vias
v2: diameter 0.508, hole 0.305, TOP to BOTTOM, 79 vias

## Routing (per net, layer and track width the routed paths; a pad name or vN(x,y) marks a point on that pad's centre or on a via; arc(x,y) is an arc through that point)
GND: length 231.7
  TOP w0.231: v1(243.63,175.36) 243.63,175.23 243.51,175.11 arc(243.45,175.02) 243.43,174.91 SITE3.4 ; v1(256.36,175.23) 256.63,175.23 arc(256.91,175.11) 257.03,174.83 SITE3.38 ; SITE3.146 241.07,188.03 241.43,187.67 v1(241.43,187.43) ; SITE3.34 255.43,170.48 259.8,166.12 arc(259.85,166.04) 259.86,165.95 259.86,165.81 ; v1(330.96,175.23) 331.03,175.16 SITE4.23 ; v1(323.63,194.03) 323.83,194.23 SITE4.128 ; SITE4.4 323.43,174.91 arc(323.45,175.02) 323.51,175.11 323.63,175.23 v1(323.63,175.36) ; v1(330.96,235.23) 331.03,235.16 SITE2.23 ; SITE4.146 321.07,188.03 321.43,187.67 v1(321.43,187.43) ; SITE1.23 251.03,235.16 v1(250.96,235.23) ; SITE1.146 241.07,248.03 241.43,247.67 v1(241.43,247.43) ; SITE2.108 331.83,253.88 v1(331.54,253.59) ; 259.86,225.81 259.86,225.95 arc(259.85,226.04) 259.8,226.12 255.43,230.48 SITE1.34 ; SITE2.28 333.03,231.52 ; v1(336.36,175.23) 336.63,175.23 arc(336.91,175.11) 337.03,174.83 SITE4.38 ; SITE2.34 335.43,230.48 339.8,226.12 arc(339.85,226.04) 339.86,225.95 339.86,225.81 ; SITE1.38 257.03,234.83 arc(256.91,235.11) 256.63,235.23 v1(256.36,235.23) ; SITE1.128 243.83,254.23 v1(243.63,254.03) ; SITE1.4 243.43,234.91 arc(243.45,235.02) 243.51,235.11 243.63,235.23 v1(243.63,235.36) ; 333.56,165.29 333.28,165.57 arc(333.09,165.84) 333.03,166.17 SITE4.28 ; v1(336.36,235.23) 336.63,235.23 arc(336.91,235.11) 337.03,234.83 SITE2.38 ; SITE2.62 v1(340.23,242.83) ; SITE3.62 v1(260.23,182.83) ; v1(251.54,253.59) 251.83,253.88 SITE1.108 ; SITE1.62 v1(260.23,242.83) ; SITE2.128 323.83,254.23 v1(323.63,254.03) ; SITE4.108 331.83,193.88 v1(331.54,193.59) ; v1(323.63,235.36) 323.63,235.23 323.51,235.11 arc(323.45,235.02) 323.43,234.91 SITE2.4 ; v1(321.43,247.43) 321.43,247.67 321.07,248.03 SITE2.146 ; SITE3.23 251.03,175.16 v1(250.96,175.23) ; SITE1.28 253.03,231.52 ; 339.86,165.81 339.86,165.95 arc(339.85,166.04) 339.8,166.12 335.43,170.48 SITE4.34 ; 253.56,165.29 253.28,165.57 arc(253.09,165.84) 253.03,166.17 SITE3.28 ; SITE4.62 v1(340.23,182.83)
  TOP w0.381: v1(251.94,265.56) CD18.2 ; UNK4CD5.2 v1(343.63,164.73) ; v1(251.94,205.56) UNK3CD18.2 ; v1(317.98,224.73) UNK2CD1.2 ; v1(331.05,205.56) UNK4CD14.2 ; v1(230.42,187.93) UNK3CD17.2 ; v1(329.28,164.73) UNK4CD22.2 ; v1(251.06,224.73) CD8.2 ; v1(237.98,224.73) CD1.2 ; v1(272.24,189.5) UNK3CD10.2 ; v1(332.83,205.56) UNK4CD13.2 ; v1(352.24,185.18) UNK4CD15.2 ; v1(310.42,186.66) UNK4CD6.2 ; UNK4CD21.2 v1(342.36,164.73) ; v1(249.28,224.73) CD22.2 ; v1(310.42,249.2) UNK2CD25.2 ; v1(352.24,183.91) UNK4CD20.2 ; v1(272.24,182.64) UNK3CD7.2 ; v1(230.42,189.2) UNK3CD25.2 ; v1(334.61,265.56) UNK2CD4.2 ; v1(310.42,183.41) UNK4CD19.2 ; v1(250.17,164.73) UNK3CD23.2 ; v1(352.24,242.64) UNK2CD7.2 ; v1(334.61,205.56) UNK4CD4.2 ; v1(272.24,241.37) CD3.2 ; v1(256.77,224.73) CD9.2 ; v1(247.57,205.56) UNK3CD24.2 ; v1(237.98,164.73) UNK3CD1.2 ; v1(252.83,205.56) UNK3CD13.2 ; v1(352.24,241.37) UNK2CD3.2 ; v1(230.42,183.41) UNK3CD19.2 ; v1(352.24,181.37) UNK4CD3.2 ; v1(310.42,246.66) UNK2CD6.2 ; v1(331.06,224.73) UNK2CD8.2 ; UNK2CD5.2 v1(343.63,224.73) ; UNK2CD21.2 v1(342.36,224.73) ; v1(339.65,205.56) UNK4CD11.2 ; v1(332.83,265.56) UNK2CD13.2 ; v1(339.65,265.56) UNK2CD11.2 ; UNK3CD21.2 v1(262.36,164.73) ; v1(230.42,246.66) CD6.2 ; v1(336.77,164.73) UNK4CD9.2 ; v1(259.65,205.56) UNK3CD11.2 ; v1(230.42,193.69) UNK3CD12.2 ; v1(310.42,189.2) UNK4CD25.2 ; v1(352.24,182.64) UNK4CD7.2 ; v1(330.17,164.73) UNK4CD23.2 ; v1(272.24,242.64) CD7.2 ; v1(310.42,247.93) UNK2CD17.2 ; v1(310.42,193.69) UNK4CD12.2 ; v1(230.42,249.2) CD25.2 ; v1(251.06,164.73) UNK3CD8.2 ; v1(330.17,224.73) UNK2CD23.2 ; v1(254.61,205.56) UNK3CD4.2 ; UNK3CD5.2 v1(263.63,164.73) ; v1(331.94,265.56) UNK2CD18.2 ; v1(251.05,205.56) UNK3CD14.2 ; v1(352.24,245.18) UNK2CD15.2 ; v1(253.72,265.56) CD16.2 ; v1(230.42,243.41) CD19.2 ; v1(251.05,265.56) CD14.2 ; v1(327.57,265.56) UNK2CD24.2 ; v1(256.77,164.73) UNK3CD9.2 ; v1(230.42,253.69) CD12.2 ; v1(333.72,265.56) UNK2CD16.2 ; v1(310.42,253.69) UNK2CD12.2 ; v1(333.72,205.56) UNK4CD16.2 ; v1(272.24,185.18) UNK3CD15.2 ; v1(253.72,205.56) UNK3CD16.2 ; v1(259.65,265.56) CD11.2 ; CD21.2 v1(262.36,224.73) ; v1(331.94,205.56) UNK4CD18.2 ; v1(272.24,249.5) CD10.2 ; v1(317.98,164.73) UNK4CD1.2 ; v1(272.24,243.91) CD20.2 ; v1(247.57,265.56) CD24.2 ; v1(331.06,164.73) UNK4CD8.2 ; v1(310.42,187.93) UNK4CD17.2 ; v1(254.61,265.56) CD4.2 ; v1(352.24,189.5) UNK4CD10.2 ; v1(352.24,249.5) UNK2CD10.2 ; v1(272.24,245.18) CD15.2 ; v1(230.42,186.66) UNK3CD6.2 ; v1(329.28,224.73) UNK2CD22.2 ; v1(331.05,265.56) UNK2CD14.2 ; v1(249.28,164.73) UNK3CD22.2 ; v1(352.24,243.91) UNK2CD20.2 ; v1(327.57,205.56) UNK4CD24.2 ; v1(252.83,265.56) CD13.2 ; v1(230.42,247.93) CD17.2 ; v1(250.17,224.73) CD23.2 ; v1(336.77,224.73) UNK2CD9.2 ; v1(272.24,181.37) UNK3CD3.2 ; CD5.2 v1(263.63,224.73) ; v1(272.24,183.91) UNK3CD20.2 ; v1(310.42,243.41) UNK2CD19.2